# Altium PCB DAC_Sources.PcbDoc (part 6 of 8)
Units mm, origin at the board's own origin, x right, y up, seen from the top; angles counter-clockwise.
Board outline 277 x 137 mm, 8 copper layers (Top Layer, GND_02, SIG_03, PWR_04, PWR_05, SIG_06, GND_07, Bottom Layer), stack 1.669 mm thick; 635 components, 416 nets, 2247 pads, 2216 vias.
Unrouted connection lines stored in the file: 515.
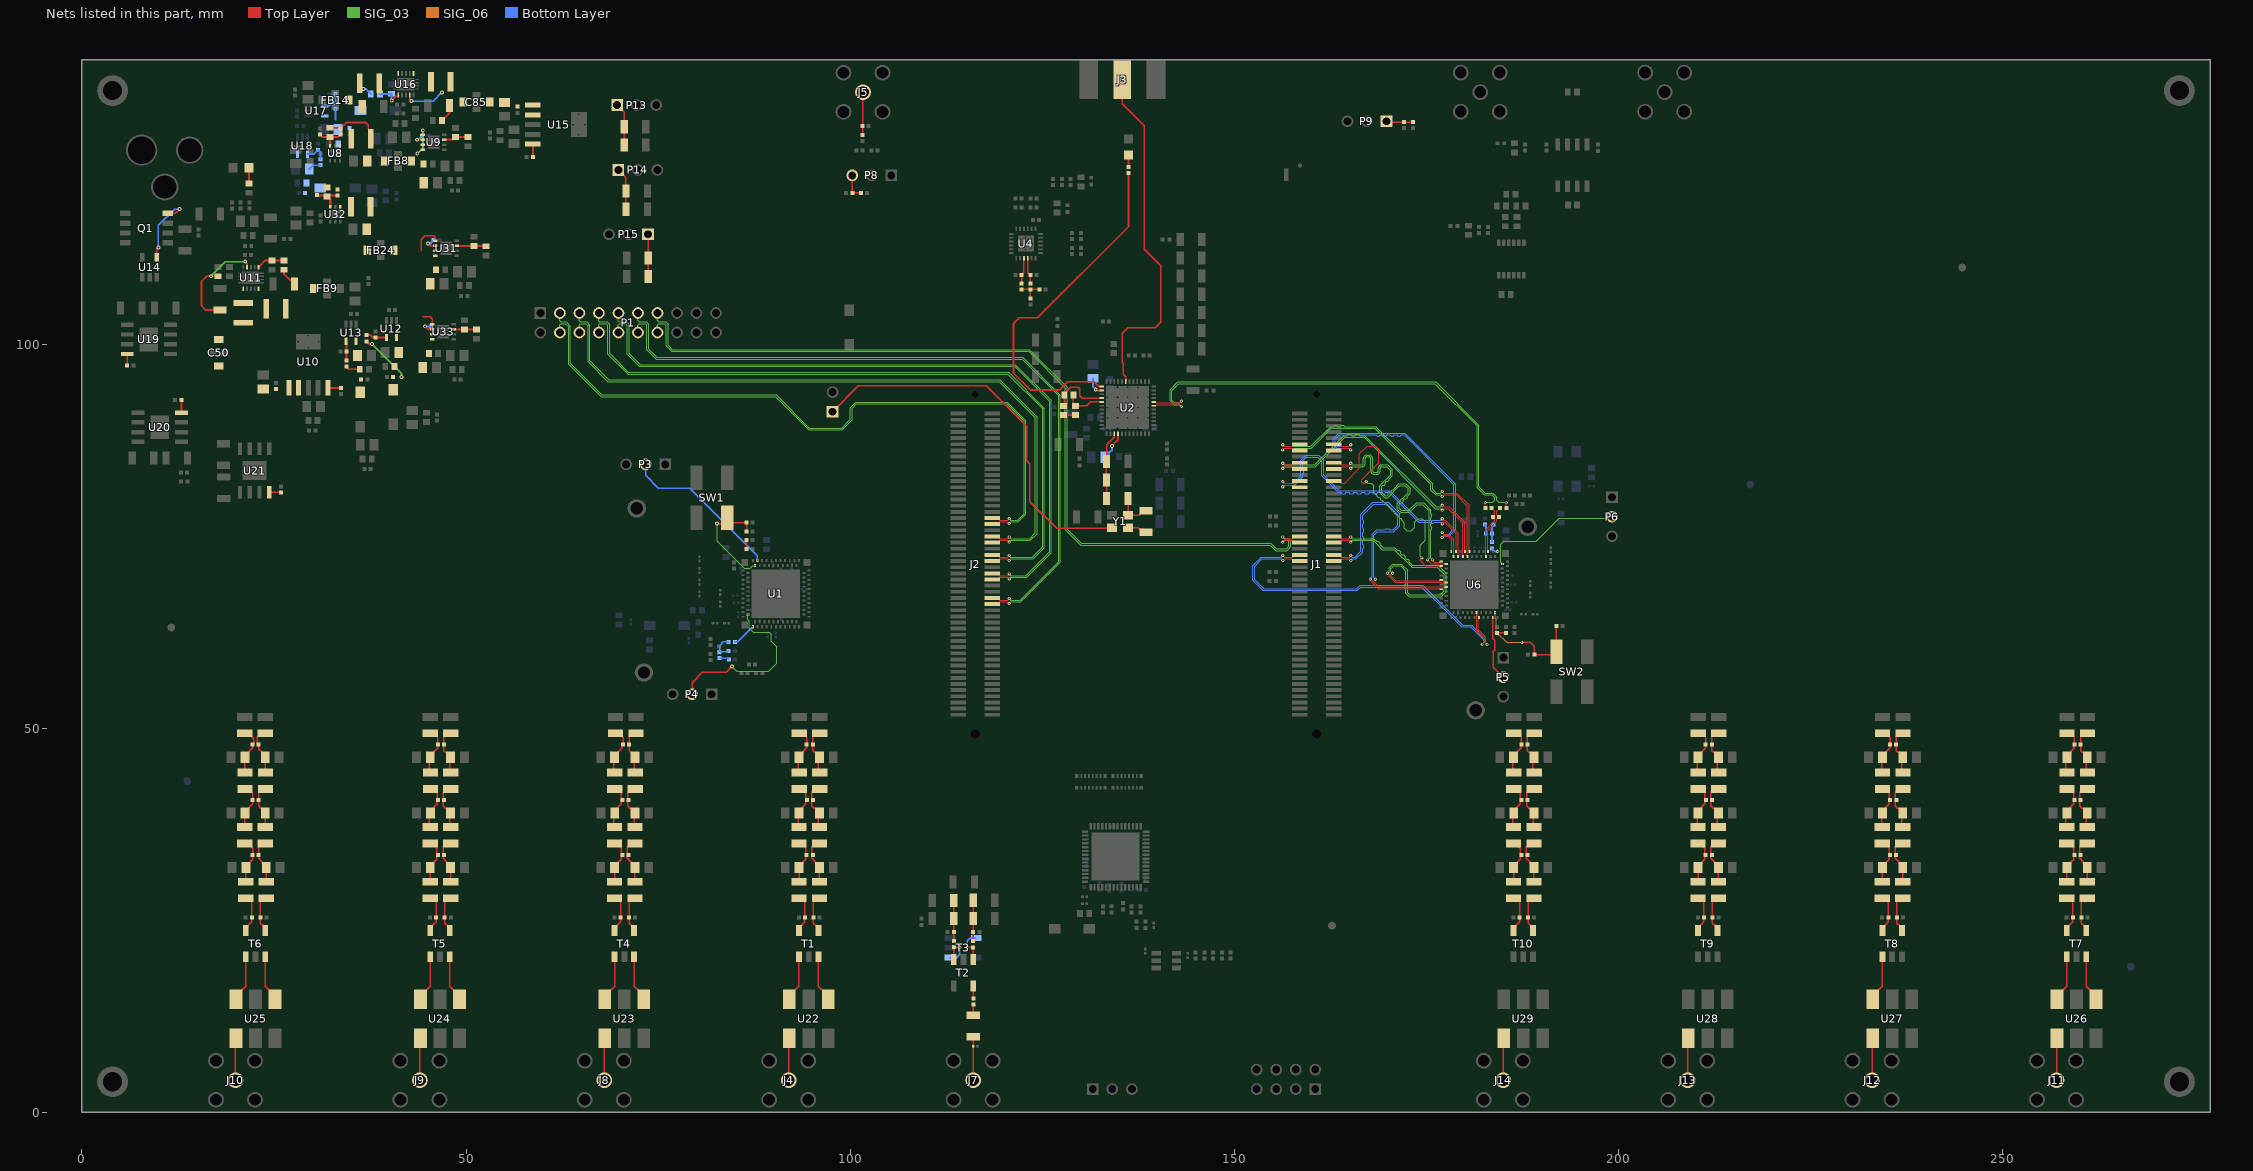
[diagram p12: the nets of this part, all layers, seen from the top]

## Via types
v1: diameter 0.406, hole 0.203, Top Layer to Bottom Layer, tented both sides, 1493 vias
v2: diameter 0.508, hole 0.254, Top Layer to Bottom Layer, tented both sides, 563 vias
v3: diameter 0.254, hole 0.152, Top Layer to Bottom Layer, tented both sides, 60 vias
v4: diameter 0.6, hole 0.3, Top Layer to Bottom Layer, tented top, 58 vias
v5: diameter 0.61, hole 0.305, Top Layer to Bottom Layer, tented top, 25 vias
v6: diameter 0.61, hole 0.305, Top Layer to Bottom Layer, tented both sides, 15 vias
v7: diameter 2, hole 1, Top Layer to Bottom Layer, tented both sides, 2 vias

## Nets (pads, with @x,y where several pads share a name; then routed paths per layer and width w, separated by ;. In a path a pad name is that pad's centre, name@x,y a point inside that pad or via, vN(x,y) a via of type N, cw(c..) or ccw(c..) an arc to the next point about the centre after c; other vN are vias at no path point) (continued)
JX2_D10_DAC2_P: J1.23 U6.A13 | length 36.9
  Top Layer w0.127: J1.23@162.925,82.167 163.675,82.167 163.928,81.914 164.361,81.914 166.28,83.833 166.28,85.703 167.265,86.689 168.415,86.689 168.789,86.315 168.789,84.535 166.58,82.327 166.58,82.04 166.706,81.914 166.954,81.914 v1(167.17,82.13) ; v1(174.405,72.175) 174.189,71.959 174.189,71.845 175.005,71.029 176.719,71.029 176.729,71.039 176.869,71.039 U6.A13@176.93,71.1
  SIG_03 w0.102: v1(167.17,82.13) 167.386,81.914 167.789,81.914 168.149,81.555 168.149,80.69 168.812,80.027 168.933,80.027 169.062,79.898 169.062,79.777 169.15,79.689 169.271,79.689 169.4,79.56 169.4,79.439 169.488,79.35 169.61,79.35 169.738,79.222 169.738,79.1 169.826,79.012 169.948,79.012 170.076,78.884 170.076,78.762 170.165,78.674 170.286,78.674 170.415,78.545 170.415,78.424 170.503,78.336 170.624,78.336 170.753,78.207 170.753,78.086 170.841,77.998 170.962,77.998 171.091,77.869 171.091,77.748 171.179,77.659 171.301,77.659 171.429,77.531 171.429,77.409 171.518,77.321 171.638,77.322 171.767,77.193 171.767,77.072 172.13,76.709 172.13,76.02 172.42,75.73 173.03,75.73 173.451,76.151 173.451,76.859 173.891,77.299 174.48,77.299 174.849,76.93 174.849,74.479 174.189,73.819 174.189,72.391 v1(174.405,72.175)
JX2_D11_DAC2_N: J1.19 U6.B11 | length 37.3
  Top Layer w0.127: J1.19@162.925,83.767 163.675,83.767 163.862,83.953 163.862,83.962 163.953,84.053 164.931,84.053 v1(165.147,83.837) ; v1(175.13,71.921) 175.651,71.4 175.923,71.4 U6.B11@177.58,71.4
  SIG_03 w0.102: v1(165.147,83.837) 165.363,84.053 166.449,84.053 166.614,84.053 ccw(c166.614,84.465) 167.027,84.465 167.027,85.139 cw(c167.211,85.139) 167.211,85.323 167.579,85.323 cw(c167.579,85.139) 167.763,85.139 167.763,83.482 ccw(c168.176,83.482) 168.176,83.069 168.544,83.069 ccw(c168.544,83.482) 168.957,83.482 168.957,83.869 cw(c169.141,83.869) 169.141,84.053 169.66,84.053 169.837,84.053 170.34,83.55 170.34,82.993 168.931,81.585 168.931,80.635 169.545,80.021 169.931,80.021 171.49,81.58 172.23,81.58 172.64,81.17 172.64,80.683 171.221,79.265 171.221,78.535 171.635,78.121 172.811,78.121 173.8,79.11 174.527,79.11 175.346,78.291 175.346,72.137 v1(175.13,71.921)
JX2_D11_DAC2_P: J1.17 U6.A12 | length 37.3
  Top Layer w0.127: J1.17@162.925,84.567 163.675,84.567 163.862,84.38 163.862,84.356 163.936,84.281 164.931,84.281 v1(165.147,84.497) ; v1(175.79,71.921) 175.79,71.856 176.018,71.629 176.719,71.629 176.729,71.639 176.869,71.639 U6.A12@176.93,71.7
  SIG_03 w0.102: v1(165.147,84.497) 165.363,84.281 166.449,84.281 166.614,84.281 ccw(c166.614,84.465) 166.798,84.465 166.798,85.139 cw(c167.211,85.139) 167.211,85.551 167.579,85.551 cw(c167.579,85.139) 167.992,85.139 167.992,83.482 ccw(c168.176,83.482) 168.176,83.297 168.544,83.297 ccw(c168.544,83.482) 168.728,83.482 168.728,83.869 cw(c169.141,83.869) 169.141,84.281 169.66,84.281 169.932,84.281 170.569,83.645 170.569,82.899 170.16,82.49 170.16,82.3 169.99,82.13 169.8,82.13 169.65,81.98 169.65,81.79 169.48,81.62 169.29,81.62 169.16,81.49 169.16,80.73 169.64,80.25 169.837,80.25 170.003,80.417 170.003,80.643 170.12,80.76 170.347,80.76 170.857,81.27 171.395,81.809 172.325,81.809 172.869,81.265 172.869,80.589 172.47,80.19 172.47,79.963 172.353,79.847 172.127,79.847 171.96,79.68 171.96,79.453 171.843,79.337 171.617,79.337 171.45,79.17 171.45,78.63 171.73,78.35 172.717,78.35 173.705,79.339 174.621,79.339 175.574,78.386 175.574,77.9 175.7,77.774 175.7,77.51 175.574,77.384 175.574,77.095 175.7,76.969 175.7,76.705 175.574,76.579 175.574,76.289 175.7,76.164 175.7,75.899 175.574,75.774 175.574,72.137 v1(175.79,71.921)
JX2_D12_DAC2_N: J1.13 U6.A11 | length 35.9
  Top Layer w0.127: J1.13@162.925,86.167 163.675,86.167 163.862,86.353 163.862,86.362 163.953,86.453 164.931,86.453 v1(165.147,86.237) ; v1(177.05,74.834) 177.266,75.05 177.78,75.05 178.301,74.529 178.301,73.211 178.292,73.201 178.292,73.061 U6.A11@178.23,73
  Bottom Layer w0.127: v1(165.147,86.237) 164.931,86.453 163.315,86.453 162.895,86.872 162.895,87.708 163.595,88.409 172.175,88.409 178.809,81.775 178.809,75.874 177.985,75.05 177.266,75.05 v1(177.05,74.834)
JX2_D12_DAC2_P: J1.11 U6.B10 | length 35.9
  Top Layer w0.127: J1.11@162.925,86.967 163.675,86.967 163.862,86.78 163.862,86.756 163.936,86.681 164.931,86.681 v1(165.147,86.897) ; v1(177.05,75.494) 177.266,75.278 177.875,75.278 178.53,74.623 178.53,74.007 U6.B10@178.53,72.35
  Bottom Layer w0.127: v1(165.147,86.897) 164.931,86.681 163.409,86.681 163.124,86.967 163.124,87.614 163.69,88.18 168.416,88.18 168.567,88.029 168.816,88.029 168.967,88.18 169.332,88.18 169.483,88.029 169.732,88.029 169.883,88.18 170.248,88.18 170.399,88.029 170.648,88.029 170.799,88.18 171.164,88.18 171.315,88.029 171.564,88.029 171.715,88.18 172.08,88.18 178.58,81.68 178.58,75.968 177.89,75.278 177.266,75.278 v1(177.05,75.494)
JX2_D13_DAC2_N: J1.26 U6.A10 | length 36.6
  Top Layer w0.127: v1(156.303,81.437) 156.519,81.653 157.497,81.653 157.589,81.562 157.589,81.553 157.775,81.367 J1.26@158.525,81.367 ; v1(177.05,76.612) 177.266,76.828 177.38,76.828 178.901,75.307 178.901,73.211 178.891,73.201 178.891,73.061 U6.A10@178.83,73
  Bottom Layer w0.127: v1(156.303,81.437) 156.519,81.653 157.793,81.653 157.927,81.787 158.746,82.606 158.88,82.74 158.88,83.032 159.031,83.184 159.031,83.615 158.88,83.766 158.88,84.8 159.381,85.301 160.877,85.301 161.391,84.787 161.391,82.845 163.478,80.758 163.545,80.691 163.838,80.691 163.989,80.54 164.42,80.54 164.571,80.691 164.864,80.691 165.015,80.54 165.446,80.54 165.597,80.691 165.89,80.691 166.041,80.54 166.472,80.54 166.624,80.691 166.916,80.691 167.067,80.54 167.498,80.54 167.65,80.691 167.942,80.691 168.093,80.54 168.524,80.54 168.676,80.691 168.968,80.691 169.12,80.54 169.55,80.54 169.702,80.691 170.119,80.691 173.982,76.828 175.451,76.828 175.599,76.68 175.91,76.68 176.058,76.828 176.834,76.828 v1(177.05,76.612)
JX2_D13_DAC2_P: J1.24 U6.B9 | length 36.6
  Top Layer w0.127: v1(156.303,82.097) 156.519,81.881 157.514,81.881 157.589,81.956 157.589,81.98 157.775,82.167 J1.24@158.525,82.167 ; v1(177.05,77.272) 177.266,77.056 177.475,77.056 179.13,75.401 179.13,74.007 U6.B9@179.13,72.35
  Bottom Layer w0.127: v1(156.303,82.097) 156.519,81.881 157.698,81.881 158.651,82.835 158.651,84.895 159.287,85.53 160.971,85.53 161.62,84.881 161.62,82.94 163.64,80.92 170.213,80.92 174.077,77.056 176.834,77.056 v1(177.05,77.272)
JX2_D14_DAC2_N: J1.20 U6.B8 | length 36.7
  Top Layer w0.127: v1(156.303,83.837) 156.519,84.053 157.497,84.053 157.589,83.962 157.589,83.953 157.775,83.767 J1.20@158.525,83.767 ; v1(177.05,78.39) 177.266,78.606 177.844,78.606 179.73,76.72 U6.B8@179.73,72.35
  SIG_03 w0.102: v1(156.303,83.837) 156.519,84.053 160.533,84.053 164.351,87.871 166.9,87.871 176.165,78.606 176.834,78.606 v1(177.05,78.39)
JX2_D14_DAC2_P: J1.18 U6.A8 | length 36.7
  Top Layer w0.127: v1(156.303,84.497) 156.519,84.281 157.514,84.281 157.589,84.356 157.589,84.38 157.775,84.567 J1.18@158.525,84.567 ; v1(177.05,79.051) 177.266,78.835 177.939,78.835 179.959,76.815 179.959,73.211 179.969,73.201 179.969,73.061 U6.A8@180.03,73
  SIG_03 w0.102: v1(156.303,84.497) 156.519,84.281 160.438,84.281 164.257,88.1 164.62,88.1 164.78,88.26 165.13,88.26 165.29,88.1 165.653,88.1 165.813,88.26 166.163,88.26 166.323,88.1 166.995,88.1 176.26,78.835 176.834,78.835 v1(177.05,79.051)
JX2_D15_DAC2_N: J1.14 U6.B7 | length 39
  Top Layer w0.127: v1(156.303,86.237) 156.519,86.453 157.497,86.453 157.589,86.362 157.589,86.353 157.775,86.167 J1.14@158.525,86.167 ; v1(177.05,80.168) 177.266,80.384 178.856,80.384 180.33,78.91 U6.B7@180.33,72.35
  SIG_03 w0.102: v1(156.303,86.237) 156.519,86.453 160.033,86.453 162.61,89.03 168.29,89.03 175.581,81.739 175.581,80.998 176.195,80.384 176.834,80.384 v1(177.05,80.168)
JX2_D15_DAC2_P: J1.12 U6.A7 | length 39
  Top Layer w0.127: v1(156.303,86.897) 156.519,86.681 157.514,86.681 157.589,86.756 157.589,86.78 157.775,86.967 J1.12@158.525,86.967 ; v1(177.05,80.829) 177.266,80.613 178.95,80.613 180.559,79.005 180.559,73.211 180.569,73.201 180.569,73.061 U6.A7@180.63,73
  SIG_03 w0.102: v1(156.303,86.897) 156.519,86.681 159.938,86.681 162.515,89.259 162.88,89.259 163.031,89.41 163.28,89.41 163.431,89.259 163.796,89.259 163.947,89.41 164.196,89.41 164.347,89.259 168.385,89.259 175.81,81.833 175.81,81.093 176.29,80.613 176.834,80.613 v1(177.05,80.829)
JX2_DACCLK_DAC2_IN_N: C319.1 R111.1 U6.B3 | length 7.2
  Top Layer w0.127: U6.B3@182.73,72.35 182.73,75.832 183.916,77.018 183.916,77.244 R111.1@183.63,77.53 183.916,77.816 183.916,78.229 C319.1@183.465,78.68
JX2_DACCLK_DAC2_IN_P: C318.1 R111.2 U6.A3 | length 6.6
  Top Layer w0.127: U6.A3@183.03,73 182.969,73.061 182.969,73.201 182.959,73.211 182.959,75.738 184.144,76.923 184.144,77.244 R111.2@184.43,77.53 184.144,77.816 184.144,78.229 C318.1@184.595,78.68
JX2_DACCLK_DAC2_N: C319.2 U2.20 | length 62.1
  Top Layer w0.127: U2.20@139.52,92.48 139.7,92.48 139.756,92.424 139.756,92.419 139.831,92.344 142.884,92.344 v1(143.1,92.56) ; C319.2@182.665,78.68 v1(182.665,79.39)
  SIG_03 w0.102: v1(143.1,92.56) 142.884,92.344 142.24,92.344 141.86,92.724 141.86,93.96 142.75,94.85 176.11,94.85 181.601,89.359 181.601,81.319 182.54,80.38 183.51,80.38 183.916,79.974 183.916,79.68 183.626,79.39 v1(182.665,79.39)
JX2_DACCLK_DAC2_P: C318.2 U2.19 | length 63.3
  Top Layer w0.127: U2.19@139.52,91.98 139.7,91.98 139.756,92.036 139.756,92.041 139.831,92.116 142.884,92.116 v1(143.1,91.9) ; C318.2@185.395,78.68 v1(185.395,79.39)
  SIG_03 w0.102: v1(143.1,91.9) 142.884,92.116 142.145,92.116 141.631,92.629 141.631,94.055 142.588,95.012 142.655,95.079 176.205,95.079 181.83,89.453 181.83,81.413 182.635,80.609 183.605,80.609 184.144,80.069 184.144,79.68 184.434,79.39 v1(185.395,79.39)
JX2_DATACLK_DAC2_N: J1.43 U6.B15 | length 38.7
  Top Layer w0.127: J1.43@162.925,74.167 163.675,74.167 163.862,74.353 163.862,74.362 163.953,74.453 164.931,74.453 v1(165.147,74.237) ; v1(169.93,70.182) 170.145,69.966 170.145,69.782 170.928,69 175.923,69 U6.B15@177.58,69
  SIG_03 w0.102: v1(165.147,74.237) 165.363,74.453 168.074,74.453 169.257,73.27 170.797,73.27 173.008,71.058 173.075,70.991 176.415,70.991 177.331,70.075 177.331,67.891 176.8,67.36 172.84,67.36 172.549,67.651 172.549,70.565 171.735,71.379 170.635,71.379 170.145,70.889 170.145,70.398 v1(169.93,70.182)
JX2_DATACLK_DAC2_P: J1.41 U6.A16 | length 38.8
  Top Layer w0.127: J1.41@162.925,74.967 163.675,74.967 163.862,74.781 163.862,74.756 163.936,74.681 164.931,74.681 v1(165.147,74.897) ; v1(170.59,70.182) 170.374,69.966 170.374,69.877 171.022,69.229 176.719,69.229 176.729,69.239 176.869,69.239 U6.A16@176.93,69.3
  SIG_03 w0.102: v1(165.147,74.897) 165.363,74.681 168.169,74.681 168.53,74.32 168.74,74.32 168.97,74.09 168.97,73.88 169.351,73.499 170.891,73.499 171.23,73.16 171.47,73.16 171.645,72.985 171.645,72.745 171.8,72.59 172.04,72.59 172.215,72.415 172.215,72.175 172.37,72.02 172.61,72.02 172.785,71.845 172.785,71.605 173.17,71.22 176.51,71.22 177.56,70.17 177.56,67.797 176.895,67.131 174.555,67.131 172.745,67.131 172.32,67.557 172.32,68.1 172.17,68.25 172.17,68.66 172.32,68.81 172.32,70.47 171.64,71.15 170.73,71.15 170.374,70.794 170.374,70.398 v1(170.59,70.182)
JX2_FRAME_DAC2_N: J1.49 U6.A18 | length 36.8
  Top Layer w0.127: J1.49@162.925,71.767 163.675,71.767 163.862,71.953 163.862,71.962 163.953,72.053 164.931,72.053 v1(165.147,71.837) ; v1@167.71,69.353 v1(167.71,69.392) 167.926,69.176 167.926,68.967 168.721,68.171 176.719,68.171 176.729,68.161 176.869,68.161 U6.A18@176.93,68.1
  Bottom Layer w0.127: v1(165.147,71.837) 165.363,72.053 165.825,72.053 166.689,72.917 166.689,73.339 166.85,73.5 166.85,73.81 166.69,73.97 166.69,74.392 166.851,74.553 166.851,74.863 166.691,75.023 166.691,75.445 166.853,75.607 166.853,75.917 166.693,76.077 166.693,76.499 166.854,76.66 166.854,76.97 166.694,77.13 166.694,77.743 166.689,77.749 168.129,79.189 169.901,79.189 171.288,77.802 171.288,76.452 170.667,75.83 170.245,75.83 170.084,75.992 169.774,75.992 169.612,75.83 168.527,75.83 167.926,75.229 167.926,69.607 167.711,69.392 v1(167.71,69.392)
JX2_FRAME_DAC2_P: J1.47 U6.B16 | length 36.7
  Top Layer w0.127: J1.47@162.925,72.567 163.675,72.567 163.862,72.381 163.862,72.356 163.936,72.281 164.931,72.281 v1(165.147,72.497) ; v1(168.37,69.392) 168.154,69.176 168.154,69.062 168.816,68.4 U6.B16@177.58,68.4
  Bottom Layer w0.127: v1(165.147,72.497) 165.363,72.281 165.73,72.281 166.46,73.011 166.46,77.843 168.034,79.417 169.996,79.417 170.063,79.35 171.517,77.896 171.517,76.357 170.762,75.602 168.622,75.602 168.155,75.135 168.155,69.606 v1(168.37,69.392) v1(168.37,69.392)
JX2_LVDS6_N: J2.35 P1.4 | length 90.4
  Top Layer w0.127: J2.35@118.662,77.18 J2.35@118.475,77.367 119.225,77.367 119.412,77.18 119.412,77.158 119.489,77.081 120.481,77.081 v1(120.697,77.297)
  SIG_03 w0.102: P1.4@62.22,101.51 62.22,102.536 62.35,102.666 62.924,102.666 63.34,102.25 63.34,97.41 67.6,93.15 90.307,93.15 94.605,88.851 98.965,88.851 100.239,90.125 100.239,91.649 100.81,92.22 120.36,92.22 122.63,89.95 122.63,77.931 121.78,77.081 120.913,77.081 v1(120.697,77.297)
JX2_LVDS6_P: J2.37 P1.3 | length 91.1
  Top Layer w0.127: J2.37@118.662,76.753 J2.37@118.475,76.567 119.225,76.567 119.412,76.753 119.412,76.772 119.493,76.853 120.481,76.853 v1(120.697,76.637)
  SIG_03 w0.102: P1.3@62.22,104.05 62.22,103.024 62.35,102.894 63.019,102.894 63.569,102.345 63.569,97.505 67.695,93.379 90.401,93.379 94.7,89.08 98.87,89.08 100.01,90.22 100.01,91.743 100.077,91.81 100.715,92.449 120.455,92.449 122.859,90.045 122.859,77.837 121.875,76.853 120.913,76.853 v1(120.697,76.637)
JX2_LVDS8_N: J2.41 P1.6 | length 89.5
  Top Layer w0.127: J2.41@118.475,74.967 119.225,74.967 119.412,74.78 119.412,74.758 119.489,74.681 120.481,74.681 v1(120.697,74.897)
  SIG_03 w0.102: P1.6@64.76,101.51 64.76,102.526 64.9,102.666 65.604,102.666 65.88,102.39 65.88,97.727 68.477,95.13 94.043,95.13 119.38,95.13 124.11,90.4 124.11,75.42 123.371,74.681 120.913,74.681 v1(120.697,74.897)
JX2_LVDS8_P: J2.43 P1.5 | length 90.2
  Top Layer w0.127: J2.43@118.475,74.167 119.225,74.167 119.412,74.353 119.412,74.372 119.493,74.453 120.481,74.453 v1(120.697,74.237)
  SIG_03 w0.102: P1.5@64.76,104.05 64.76,103.034 64.9,102.894 65.699,102.894 66.109,102.485 66.109,97.821 68.571,95.359 93.948,95.359 119.475,95.359 124.339,90.495 124.339,75.325 123.466,74.453 120.913,74.453 v1(120.697,74.237)
JX2_LVDS10_N: J2.47 P1.8 | length 91.1
  Top Layer w0.127: J2.47@118.475,72.567 119.225,72.567 119.412,72.38 119.412,72.358 119.489,72.281 120.481,72.281 v1(120.697,72.497)
  SIG_03 w0.102: P1.8@67.3,101.51 67.3,102.606 67.36,102.666 68.274,102.666 68.45,102.49 68.45,98.697 70.97,96.177 71.037,96.11 120.51,96.11 125.06,91.56 125.06,73.62 123.721,72.281 120.913,72.281 v1(120.697,72.497)
JX2_LVDS10_P: J2.49 P1.7 | length 91.8
  Top Layer w0.127: J2.49@118.475,71.767 119.225,71.767 119.412,71.953 119.412,71.972 119.493,72.053 120.481,72.053 v1(120.697,71.837)
  SIG_03 w0.102: P1.7@67.3,104.05 67.3,102.954 67.36,102.894 68.369,102.894 68.679,102.585 68.679,98.791 71.131,96.339 120.605,96.339 125.289,91.655 125.289,91.56 125.289,73.525 123.816,72.053 120.913,72.053 v1(120.697,71.837)
JX2_LVDS11_N: J1.42 P1.14 | length 112.8
  Top Layer w0.127: v1(156.303,74.897) 156.519,74.681 157.514,74.681 157.589,74.756 157.589,74.781 157.775,74.967 J1.42@158.525,74.967
  SIG_03 w0.102: P1.14@74.92,101.51 74.92,102.476 75.11,102.666 75.894,102.666 76.07,102.49 76.07,99.757 76.765,99.061 123.222,99.061 128.009,94.274 128.009,75.811 129.982,73.838 154.668,73.838 155.375,73.131 156.835,73.131 157.319,73.615 157.319,74.434 157.072,74.681 156.519,74.681 v1(156.303,74.897)
JX2_LVDS11_P: J1.44 P1.13 | length 112
  Top Layer w0.127: v1(156.303,74.237) 156.519,74.453 157.497,74.453 157.589,74.362 157.589,74.353 157.775,74.167 J1.44@158.525,74.167
  SIG_03 w0.102: P1.13@74.92,104.05 74.92,103.084 75.11,102.894 75.989,102.894 76.299,102.585 76.299,99.851 76.86,99.29 123.317,99.29 128.238,94.369 128.238,75.905 130.076,74.067 154.763,74.067 155.47,73.36 156.74,73.36 157.09,73.71 157.09,74.34 156.977,74.453 156.519,74.453 v1(156.303,74.237)
JX2_LVDS12_N: J2.53 P1.10 | length 92.3
  Top Layer w0.127: J2.53@118.475,70.167 119.225,70.167 119.412,69.98 119.412,69.958 119.489,69.881 120.481,69.881 v1(120.697,70.097)
  SIG_03 w0.102: P1.10@69.84,101.51 69.84,102.566 69.94,102.666 70.814,102.666 71.01,102.47 71.01,98.657 72.5,97.167 72.567,97.1 121.42,97.1 125.95,92.57 125.95,85.394 125.95,84.846 125.95,72.95 122.881,69.881 120.913,69.881 v1(120.697,70.097)
JX2_LVDS12_P: J2.55 P1.9 | length 93.1
  Top Layer w0.127: J2.55@118.475,69.367 119.225,69.367 119.412,69.553 119.412,69.572 119.493,69.653 120.481,69.653 v1(120.697,69.437)
  SIG_03 w0.102: P1.9@69.84,104.05 69.84,102.994 69.94,102.894 70.909,102.894 71.239,102.565 71.239,98.751 72.661,97.329 121.515,97.329 126.179,92.665 126.179,85.299 ; v1(120.697,69.437) 120.913,69.653 122.976,69.653 126.112,72.788 126.179,72.855 126.179,84.941 ; 126.178,84.941 126.178,85.299
JX2_LVDS14_N: J2.61 P1.12 | length 94.2
  Top Layer w0.127: J2.61@118.475,66.967 119.225,66.967 119.412,66.78 119.412,66.758 119.489,66.681 120.481,66.681 v1(120.697,66.897)
  SIG_03 w0.102: P1.12@72.38,101.51 72.38,102.476 72.57,102.666 73.354,102.666 73.53,102.49 73.53,99.267 74.69,98.107 74.757,98.04 122.38,98.04 127.14,93.28 127.14,71.7 126.358,70.918 122.121,66.681 120.913,66.681 v1(120.697,66.897)
JX2_LVDS14_P: J2.63 P1.11 | length 95
  Top Layer w0.127: J2.63@118.475,66.167 119.225,66.167 119.412,66.353 119.412,66.372 119.493,66.453 120.481,66.453 v1(120.697,66.237)
  SIG_03 w0.102: P1.11@72.38,104.05 72.38,103.084 72.57,102.894 73.449,102.894 73.759,102.585 73.759,99.361 74.851,98.269 122.475,98.269 127.369,93.375 127.369,71.605 122.216,66.453 120.913,66.453 v1(120.697,66.237)
JX2_PARITY_N: J1.50 U6.A29 | length 46.7
  Top Layer w0.127: v1(156.303,71.837) 156.519,72.053 157.497,72.053 157.589,71.962 157.589,71.953 157.775,71.767 J1.50@158.525,71.767 ; U6.A29@181.83,64.4 181.769,64.338 181.769,64.199 181.759,64.189 181.759,62.815 182.682,61.891 182.682,61.133 v1(182.898,60.917)
  Bottom Layer w0.127: v1(156.303,71.837) 156.087,72.053 153.593,72.053 152.63,71.09 152.63,69.36 153.81,68.18 165.927,68.18 166.294,68.547 166.361,68.614 174.514,68.614 174.648,68.48 177.293,65.836 179.71,63.419 180.87,63.419 182.682,61.607 182.682,61.133 v1(182.898,60.917)
JX2_PARITY_P: J1.48 U6.B26 | length 47.7
  Top Layer w0.127: v1(156.303,72.497) 156.519,72.281 157.514,72.281 157.589,72.356 157.589,72.381 157.775,72.567 J1.48@158.525,72.567 ; U6.B26@181.53,65.05 181.53,63.393 181.53,62.72 182.453,61.797 182.453,61.133 v1(182.238,60.917)
  Bottom Layer w0.127: v1(156.303,72.497) 156.087,72.281 153.498,72.281 152.401,71.185 152.401,69.265 153.715,67.951 166.021,67.951 166.456,68.386 174.42,68.386 177.198,65.607 179.615,63.19 180.776,63.19 182.453,61.512 182.453,61.133 v1(182.238,60.917)
NetC1_2: C1.2 C7.1 L6.1 L7.2 | length 6.2
  Top Layer w0.191: C1.2@93.22,46.228 93.234,46.214 L7.2@93.234,44.247 ; L6.1@93.336,49.384 93.818,49.384 94.231,48.971 94.231,48.92 94.333,48.819 94.333,47.911 94.333,47.465 93.826,46.958 93.826,46.74 C1.2@93.347,46.26
NetC2_2: C2.2 C8.1 L7.1 L8.2 | length 6.1
  Top Layer w0.191: L8.2@93.209,37.135 93.231,37.157 93.231,38.989 93.711,39.469 93.711,39.681 94.225,40.195 94.225,41.535 94.13,41.63 94.13,41.7 93.717,42.113 L7.1@93.234,42.113
NetC3_2: C3.2 C9.1 L8.1 L9.2 | length 6
  Top Layer w0.191: L8.1@93.209,35.001 93.692,35.001 94.104,34.588 94.104,34.516 94.215,34.405 94.215,33.528 94.215,32.965 93.827,32.577 93.827,32.357 C3.2@93.347,31.877 93.347,30.034 L9.2@93.336,30.023
NetC4_2: C4.2 C7.2 L10.2 L11.1 | length 6
  Top Layer w0.191: C4.2@95.865,46.228 95.865,44.283 L11.1@95.901,44.247 ; C4.2@95.992,46.41 95.544,46.858 95.403,46.858 95.401,46.86 95.391,46.86 95.133,47.119 95.133,47.911 95.133,48.971 95.545,49.384 L10.2@96.003,49.384
NetC5_2: C5.2 C8.2 L11.2 L12.1 | length 6
  Top Layer w0.191: L12.1@95.876,37.135 95.876,38.978 95.865,38.989 95.865,39.139 95.385,39.619 95.301,39.619 95.025,39.895 95.025,41.7 95.438,42.113 L11.2@95.901,42.113
NetC6_2: C6.2 C9.2 L12.2 L13.1 | length 6
  Top Layer w0.191: L12.2@95.876,35.001 95.428,35.001 95.015,34.588 95.015,33.075 95.512,32.578 95.512,32.357 C6.2@95.992,31.877 95.992,30.034 L13.1@96.003,30.023
NetC10_2: C10.2 C142.1 L14.1 L15.2 | length 6.2
  Top Layer w0.191: L15.2@69.234,44.247 C10.2@69.234,46.214 ; C10.2@69.347,46.228 69.827,46.708 69.827,46.927 70.345,47.445 70.345,47.78 C142.1@70.444,47.879 70.444,48.796 70.358,48.882 70.358,48.939 69.946,49.352 L14.1@69.463,49.352
NetC11_2: C11.2 C143.1 L15.1 L16.2 | length 6.1
  Top Layer w0.191: L16.2@69.209,37.135 69.231,37.157 69.231,38.989 69.711,39.469 69.711,39.681 70.225,40.195 70.225,41.535 70.13,41.63 70.13,41.7 69.717,42.113 L15.1@69.234,42.113